# Allegro board meta_carrier_lay_rev1.brd (continued)
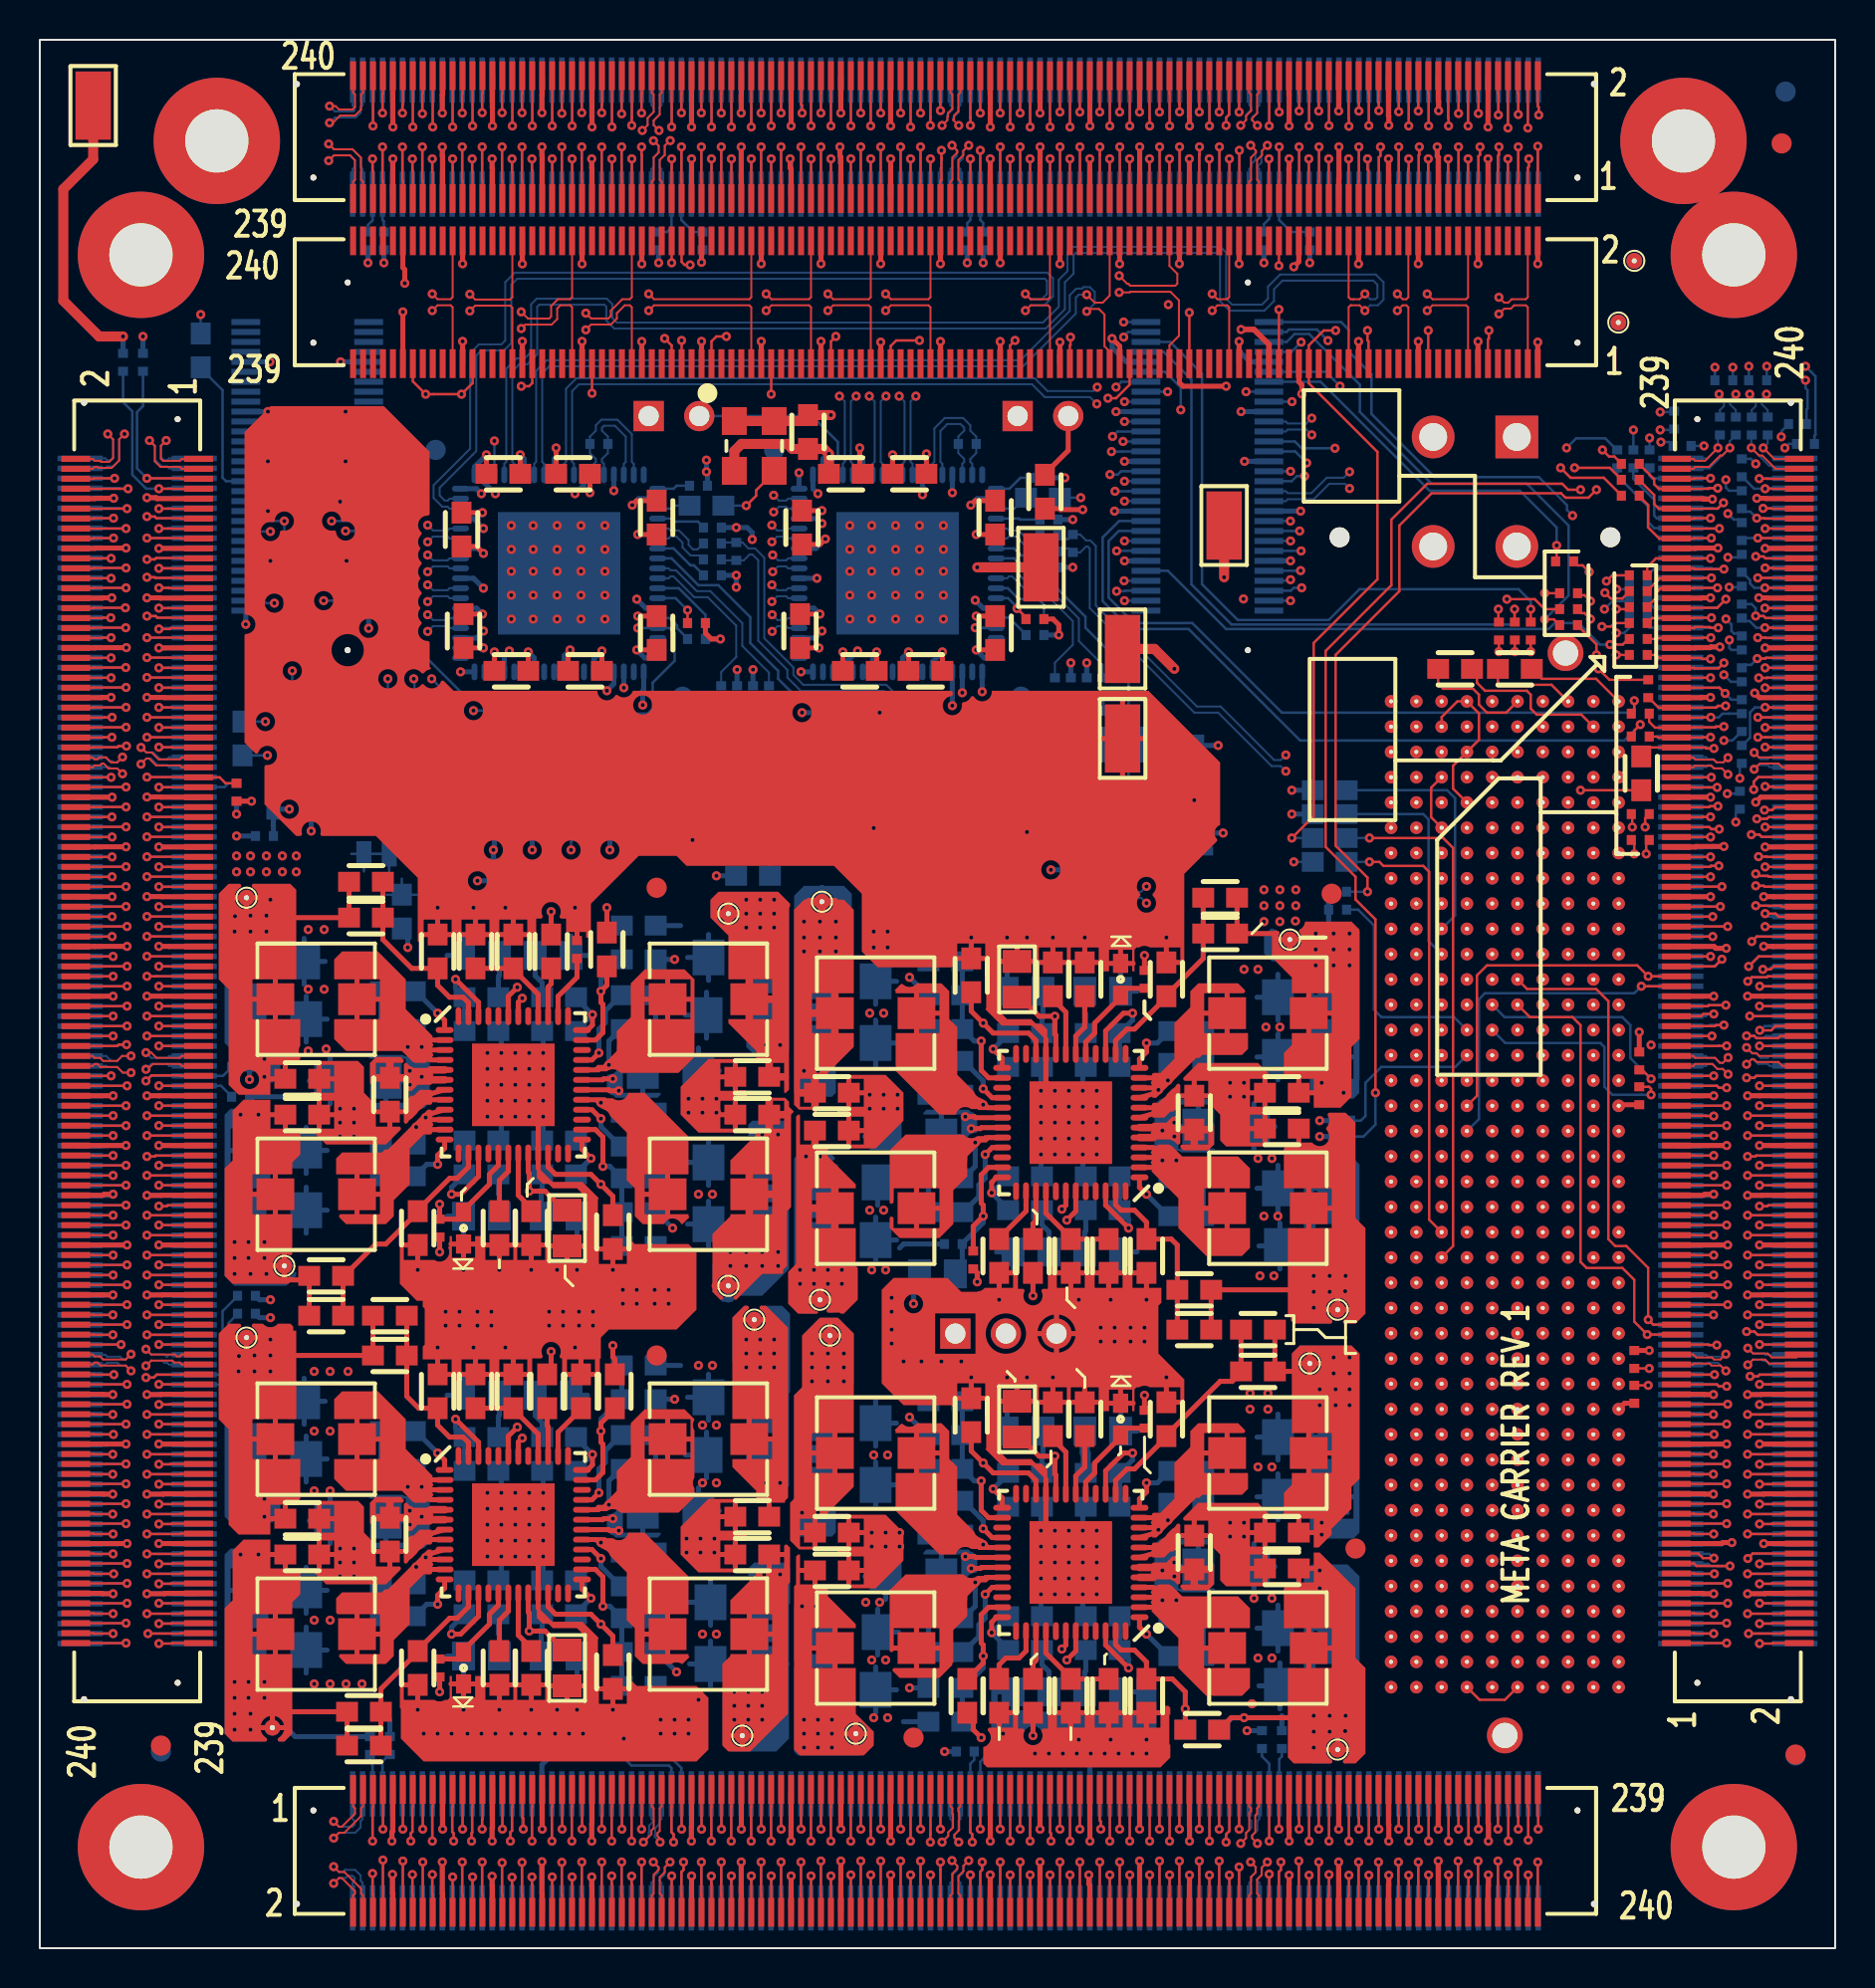
[diagram p0: board, top side]
## Routing (per net, layer and track width the routed paths; a pad name or vN(x,y) marks a point on that pad's centre or on a via; arc(x,y) is an arc through that point) (continued)
NO_DATA_OUT_N21: length 4.8
  TOP w0.127: J1.76 56.73,93.19 56.74,93.18 v1(56.74,91.55)
  BOTTOM w0.127: J11.76 v1(56.74,91.55)
NO_DATA_OUT_N22: length 3.4
  TOP w0.127: v1(58.23,92.25) J1.70
  BOTTOM w0.127: J11.70 58.24,92.26 v1(58.23,92.25)
NO_DATA_OUT_N23: length 3.4
  TOP w0.127: J1.66 v1(59.23,92.25)
  BOTTOM w0.127: J11.66 59.24,92.56 59.23,92.55 v1(59.23,92.25)
NO_DATA_OUT_N24: length 4.9
  TOP w0.127: J1.40 65.73,91.95 65.75,91.93 v1(65.75,91.54)
  BOTTOM w0.127: J11.40 v1(65.75,91.54)
NO_DATA_OUT_N25: length 4.8
  TOP w0.127: J1.36 66.73,93.19 66.75,93.18 v1(66.75,91.57)
  BOTTOM w0.127: J11.36 v1(66.75,91.57)
NO_DATA_OUT_N26: length 3.4
  TOP w0.127: v1(68.25,92.27) 68.25,93.18 68.23,93.19 J1.30
  BOTTOM w0.127: J11.30 v1(68.25,92.27)
NO_DATA_OUT_N27: length 3.3
  TOP w0.127: 69.23,94.08 v1(69.23,92.3)
  BOTTOM w0.127: v1(69.23,92.3) 69.25,92.32 69.25,93.86
NO_DATA_OUT_N28: length 4.8
  TOP w0.127: v1(70.75,91.55) 70.75,91.95 70.73,91.97 J1.20
  BOTTOM w0.127: J11.20 v1(70.75,91.55)
NO_DATA_OUT_N29: length 4.8
  TOP w0.127: J1.16 v1(71.73,91.55)
  BOTTOM w0.127: v1(71.73,91.55) 71.73,92.54 71.75,92.56 J11.16
NO_DATA_OUT_N30: length 3.7
  TOP w0.127: J1.10 73.23,93.19 73.25,93.17 v1(73.25,92.11)
  BOTTOM w0.127: J11.10 v1(73.25,92.11)
NO_DATA_OUT_N31: length 3.7
  TOP w0.127: J1.6 74.23,93.19 74.26,93.17 v1(74.26,92.13)
  BOTTOM w0.127: J11.6 v1(74.26,92.13)
NO_DATA_OUT_P0: length 3.5
  TOP w0.127: J1.218 21.23,93.19 21.22,93.18 v1(21.22,92.2)
  BOTTOM w0.127: J11.218 v1(21.22,92.2)
NO_DATA_OUT_P1: length 3.5
  TOP w0.127: J1.214 22.23,93.19 22.22,93.18 v1(22.22,92.22)
  BOTTOM w0.127: J11.214 v1(22.22,92.22)
NO_DATA_OUT_P2: length 4.8
  TOP w0.127: J1.208 v1(23.73,91.55)
  BOTTOM w0.127: J11.208 23.72,92.56 23.73,92.54 v1(23.73,91.55)
NO_DATA_OUT_P3: length 4.8
  TOP w0.127: J1.204 v1(24.73,91.55)
  BOTTOM w0.127: v1(24.73,91.55) 24.73,92.54 24.72,92.56 J11.204
NO_DATA_OUT_P4: length 3.6
  TOP w0.127: v1(26.22,92.19) 26.22,93.18 26.23,93.19 J1.198
  BOTTOM w0.127: J11.198 v1(26.22,92.19)
NO_DATA_OUT_P5: length 3.5
  TOP w0.127: v1(27.22,92.22) 27.22,93.18 27.23,93.19 J1.194
  BOTTOM w0.127: J11.194 v1(27.22,92.22)
NO_DATA_OUT_P6: length 4.9
  TOP w0.127: J1.188 v1(28.73,91.5)
  BOTTOM w0.127: J11.188 28.72,92.56 28.73,92.55 v1(28.73,91.5)
NO_DATA_OUT_P7: length 4.8
  TOP w0.127: J1.184 29.73,91.98 29.73,91.98 v1(29.73,91.58)
  BOTTOM w0.127: v1(29.73,91.58) 29.73,91.98 29.72,91.98 J11.184
NO_DATA_OUT_P8: length 3.5
  TOP w0.127: v1(36.23,92.2) 36.23,93.19 36.23,93.19 J1.158
  BOTTOM w0.127: J11.158 v1(36.23,92.2)
NO_DATA_OUT_P9: length 3.5
  TOP w0.127: v1(37.23,92.2) 37.23,93.19 37.23,93.19 J1.154
  BOTTOM w0.127: J11.154 v1(37.23,92.2)
NO_DATA_OUT_P10: length 4.8
  TOP w0.127: J1.148 v1(38.73,91.55)
  BOTTOM w0.127: J11.148 38.73,92.56 38.73,92.55 v1(38.73,91.55)
NO_DATA_OUT_P11: length 4.8
  TOP w0.127: J1.144 v1(39.73,91.55)
  BOTTOM w0.127: J11.144 39.73,92.56 39.73,92.55 v1(39.73,91.55)
NO_DATA_OUT_P12: length 3.5
  TOP w0.127: v1(41.23,92.2) 41.23,93.19 41.23,93.19 J1.138
  BOTTOM w0.127: J11.138 v1(41.23,92.2)
NO_DATA_OUT_P13: length 3.5
  TOP w0.127: J1.134 v1(42.23,92.2)
  BOTTOM w0.127: 42.23,93.86 42.23,92.56 42.23,92.56 v1(42.23,92.2)
NO_DATA_OUT_P14: length 4.9
  TOP w0.127: J1.128 43.73,93.19 43.73,93.19 v1(43.73,91.5)
  BOTTOM w0.127: J11.128 v1(43.73,91.5)
NO_DATA_OUT_P15: length 4.8
  TOP w0.127: J1.124 44.73,91.98 44.73,91.97 v1(44.73,91.58)
  BOTTOM w0.127: J11.124 44.73,91.98 44.73,91.97 v1(44.73,91.58)
NO_DATA_OUT_P16: length 3.4
  TOP w0.127: J1.98 v1(51.23,92.25)
  BOTTOM w0.127: J11.98 51.24,92.56 51.23,92.55 v1(51.23,92.25)
NO_DATA_OUT_P17: length 3.4
  TOP w0.127: J1.94 v1(52.23,92.25)
  BOTTOM w0.127: v1(52.23,92.25) 52.23,92.55 52.24,92.56 J11.94
NO_DATA_OUT_P18: length 4.8
  TOP w0.127: J1.88 53.73,93.19 53.74,93.19 v1(53.74,91.55)
  BOTTOM w0.127: J11.88 v1(53.74,91.55)
NO_DATA_OUT_P19: length 4.8
  TOP w0.127: J1.84 54.73,93.19 54.74,93.19 v1(54.74,91.55)
  BOTTOM w0.127: J11.84 v1(54.74,91.55)
NO_DATA_OUT_P20: length 3.4
  TOP w0.127: J1.78 v1(56.23,92.25)
  BOTTOM w0.127: v1(56.23,92.25) 56.23,92.55 56.24,92.56 J11.78
NO_DATA_OUT_P21: length 3.4
  TOP w0.127: J1.74 57.23,92.67 57.24,92.66 v1(57.24,92.26)
  BOTTOM w0.127: v1(57.24,92.26) J11.74
NO_DATA_OUT_P22: length 4.8
  TOP w0.127: J1.68 58.73,93.19 58.74,93.18 v1(58.74,91.55)
  BOTTOM w0.127: J11.68 v1(58.74,91.55)
NO_DATA_OUT_P23: length 4.9
  TOP w0.127: v1(59.58,91.58) 59.58,91.97 59.73,92.13 J1.64
  BOTTOM w0.127: v1(59.58,91.58) 59.58,91.97 59.74,92.14 J11.64
NO_DATA_OUT_P24: length 3.3
  TOP w0.127: v1(66.25,92.3) 66.25,92.7 66.23,92.71 J1.38
  BOTTOM w0.127: v1(66.25,92.3) J11.38
NO_DATA_OUT_P25: length 3.3
  TOP w0.127: J1.34 67.23,92.73 67.25,92.71 v1(67.25,92.32)
  BOTTOM w0.127: v1(67.25,92.32) J11.34
NO_DATA_OUT_P26: length 4.8
  TOP w0.127: J1.28 68.73,93.19 68.75,93.18 v1(68.75,91.55)
  BOTTOM w0.127: J11.28 v1(68.75,91.55)
NO_DATA_OUT_P27: length 4.8
  TOP w0.127: v1(69.75,91.55) 69.75,93.18 69.73,93.19 69.73,94.08
  BOTTOM w0.127: J11.24 v1(69.75,91.55)
NO_DATA_OUT_P28: length 3.6
  TOP w0.127: v1(71.25,92.18) 71.25,93.17 71.23,93.19 J1.18
  BOTTOM w0.127: J11.18 v1(71.25,92.18)
NO_DATA_OUT_P29: length 3.6
  TOP w0.127: J1.14 72.23,93.19 72.25,93.17 v1(72.25,92.18)
  BOTTOM w0.127: J11.14 v1(72.25,92.18)
NO_DATA_OUT_P30: length 5
  TOP w0.127: v1(73.73,91.45) J1.8
  BOTTOM w0.127: J11.8 73.75,91.87 73.73,91.85 v1(73.73,91.45)
NO_DATA_OUT_P31: length 5
  TOP w0.127: v1(74.73,91.45) J1.4
  BOTTOM w0.127: J11.4 74.75,91.87 74.73,91.85 v1(74.73,91.45)
NO_FRAME_IN_N0: length 5.8
  TOP w0.127: v1(16.71,89.91) 16.71,89.29 16.73,89.27 16.73,87.91
  BOTTOM w0.127: v1(16.71,89.91) J11.235 16.71,86.81 16.48,86.58 R133.1
NO_FRAME_IN_N1: length 6.2
  TOP w0.127: 31.73,87.91 v1(31.73,89.91)
  BOTTOM w0.127: v1(31.73,89.91) 31.73,89.44 31.72,89.43 J11.175 31.72,86.46 31.49,86.23 R98.1
NO_FRAME_IN_N2: length 5.7
  TOP w0.127: 46.73,87.91 v1(46.73,89.91)
  BOTTOM w0.127: v1(46.73,89.91) 46.73,89.43 46.73,89.43 J11.115 46.73,86.83 46.58,86.68 R76.1
NO_FRAME_IN_N3: length 5.8
  TOP w0.127: 61.73,87.91 v1(61.73,89.91)
  BOTTOM w0.127: v1(61.73,89.91) 61.73,89.51 61.75,89.5 J11.55 61.75,86.89 61.48,86.63 R52.1
NO_FRAME_IN_P0: length 6.9
  TOP w0.127: v1(17.21,90.5) 17.21,88.82 17.23,88.8 17.23,87.91
  BOTTOM w0.127: R131.2 17.28,86.76 17.21,86.83 J11.233 v1(17.21,90.5)
NO_FRAME_IN_P1: length 7.6
  TOP w0.127: 32.23,87.91 32.23,88.8 32.22,88.81 v1(32.22,90.5)
  BOTTOM w0.127: v1(32.22,90.5) J11.173 32.22,86.83 32.82,86.23 R97.2
NO_FRAME_IN_P2: length 6.6
  TOP w0.127: 47.23,87.91 47.23,88.8 47.23,88.8 v1(47.23,90.33)
  BOTTOM w0.127: v1(47.23,90.33) J11.113 47.23,86.83 47.38,86.68 R75.2
NO_FRAME_IN_P3: length 8.1
  TOP w0.127: v1(62.25,90.5) 62.25,88.81 62.23,88.8 62.23,87.91
  BOTTOM w0.127: v1(62.25,90.5) J11.53 62.25,86.83 62.85,86.23 R50.2
NO_FRAME_OUT_N0: length 4.8
  TOP w0.127: J1.236 v1(16.73,91.55)
  BOTTOM w0.127: J11.236 16.71,92.56 16.73,92.54 v1(16.73,91.55)
NO_FRAME_OUT_N1: length 4.9
  TOP w0.127: J1.176 v1(31.73,91.5)
  BOTTOM w0.127: J11.176 31.72,92.56 31.73,92.55 v1(31.73,91.5)
NO_FRAME_OUT_N2: length 4.8
  TOP w0.127: J1.116 46.73,93.19 46.73,93.19 46.73,91.98 46.74,91.97 v1(46.74,91.58)
  BOTTOM w0.127: v1(46.74,91.58) 46.74,91.97 46.73,91.98 J11.116
NO_FRAME_OUT_N3: length 4.8
  TOP w0.127: v1(61.75,91.55) 61.75,93.18 61.73,93.19 J1.56
  BOTTOM w0.127: J11.56 v1(61.75,91.55)
NO_FRAME_OUT_P0: length 3.5
  TOP w0.127: J1.234 17.23,93.19 17.21,93.17 v1(17.21,92.2)
  BOTTOM w0.127: J11.234 v1(17.21,92.2)
NO_FRAME_OUT_P1: length 3.5
  TOP w0.127: J1.174 32.23,93.19 32.22,93.18 v1(32.22,92.22)
  BOTTOM w0.127: J11.174 v1(32.22,92.22)
NO_FRAME_OUT_P2: length 3.5
  TOP w0.127: J1.114 v1(47.23,92.2)
  BOTTOM w0.127: J11.114 47.23,92.56 47.23,92.56 v1(47.23,92.2)
NO_FRAME_OUT_P3: length 3.4
  TOP w0.127: J1.54 62.23,92.66 62.25,92.65 v1(62.25,92.25)
  BOTTOM w0.127: v1(62.25,92.25) J11.54
NO_LCLK_IN_N0: length 6.8
  TOP w0.102: 15.73,87.91 15.73,88.76 15.83,88.86 15.83,89.83 15.58,90.08 14.78,90.08 v1(14.51,89.81)
  BOTTOM w0.102: v1(14.51,89.81) 14.78,90.08 15.58,90.08 15.81,89.85 15.81,89.49 15.71,89.39 J11.239
NO_LCLK_IN_N1: length 6.1
  TOP w0.102: v1(30.82,90.81) 30.82,90.81 30.82,90.82 31.08,90.56 31.08,90.22 30.83,89.97 30.83,88.86 30.73,88.76 30.73,87.91
  BOTTOM w0.102: v1(30.82,90.81) 30.82,90.81 30.82,90.82 31.08,90.56 31.08,90.22 30.82,89.96 30.82,89.49 30.72,89.39 J11.179
NO_LCLK_IN_N2: length 5.6
  TOP w0.102: 45.73,87.91 45.73,88.76 45.83,88.86 45.83,89.97 46.08,90.22 46.08,90.31 v1(45.81,90.58)
  BOTTOM w0.102: v1(45.81,90.58) 46.05,90.35 46.05,90.05 45.83,89.83 45.83,89.49 45.73,89.39 J11.119
NO_LCLK_IN_N3: length 5.6
  TOP w0.102: v1(60.81,90.58) 61.08,90.31 61.08,90.22 60.83,89.97 60.83,88.86 60.73,88.76 60.73,87.91
  BOTTOM w0.102: J11.59 60.75,89.39 60.84,89.49 60.84,89.63 61.05,89.84 61.05,90.35 v1(60.81,90.58)
NO_LCLK_IN_P0: length 7.8
  TOP w0.102: v1(14.51,90.65) 14.78,90.38 15.71,90.38 16.14,89.96 16.14,88.86 16.23,88.76 16.23,87.91
  BOTTOM w0.102: v1(14.51,90.65) 14.78,90.38 15.71,90.38 16.11,89.98 16.11,89.49 16.21,89.39 J11.237
NO_LCLK_IN_P1: length 6.1
  TOP w0.102: v1(31.66,90.82) 31.64,90.82 31.38,90.56 31.38,90.1 31.14,89.85 31.14,88.86 31.23,88.76 31.23,87.91
  BOTTOM w0.102: J11.177 31.22,89.39 31.12,89.49 31.12,89.84 31.38,90.1 31.38,90.56 31.64,90.82 v1(31.66,90.82)
NO_LCLK_IN_P2: length 5.6
  TOP w0.102: 46.23,87.91 46.23,88.76 46.14,88.86 46.14,89.85 46.38,90.1 46.38,90.31 v1(46.65,90.58)
  BOTTOM w0.102: v1(46.65,90.58) 46.35,90.28 46.35,89.92 46.14,89.7 46.14,89.49 46.23,89.39 J11.117
NO_LCLK_IN_P3: length 5.6
  TOP w0.102: 61.23,87.91 61.23,88.76 61.14,88.86 61.14,89.85 61.38,90.1 61.38,90.31 v1(61.65,90.58)
  BOTTOM w0.102: J11.57 61.24,89.39 61.15,89.49 61.15,89.51 61.35,89.71 61.35,90.28 v1(61.65,90.58)
NO_LCLK_OUT_N0: length 5.9
  TOP w0.102: J1.240 15.73,93.23 15.83,93.13 15.83,92.51 15.7,92.38 15.03,92.38 14.86,92.55 v1(14.55,92.55)
  BOTTOM w0.102: J11.240 15.71,92.6 15.81,92.5 15.81,92.36 15.74,92.29 14.82,92.29 v1(14.55,92.55)
NO_LCLK_OUT_N1: length 5.8
  TOP w0.102: v1(30.26,91.33) 30.53,91.6 30.53,91.96 30.83,92.26 30.83,93.13 30.73,93.23 J1.180
  BOTTOM w0.102: v1(30.26,91.33) 30.53,91.6 30.53,91.96 30.82,92.25 30.82,92.5 30.72,92.6 J11.180
NO_LCLK_OUT_N2: length 5.3
  TOP w0.102: J1.120 45.73,93.23 45.83,93.13 45.83,92.43 45.61,92.21 45.61,92.05 45.58,92.01 45.58,91.85 v1(45.31,91.58)
  BOTTOM w0.102: v1(45.31,91.58) 45.58,91.85 45.58,92.12 45.83,92.37 45.83,92.5 45.73,92.6 J11.120
NO_LCLK_OUT_N3: length 5.3
  TOP w0.102: v1(60.31,91.58) 60.58,91.85 60.58,92.06 60.83,92.31 60.83,93.13 60.73,93.23 J1.60
  BOTTOM w0.102: v1(60.31,91.58) 60.58,91.85 60.58,92.06 60.61,92.1 60.61,92.15 60.82,92.36 60.84,92.36 60.84,92.5 60.75,92.6 J11.60
NO_LCLK_OUT_P0: length 7
  TOP w0.102: J1.238 16.23,93.23 16.14,93.13 16.14,92.39 15.83,92.08 15.08,92.08 14.71,91.71 v1(14.55,91.71)
  BOTTOM w0.102: J11.238 16.21,92.6 16.11,92.5 16.11,92.23 15.86,91.98 14.82,91.98 v1(14.55,91.71)
NO_LCLK_OUT_P1: length 5.8
  TOP w0.102: v1(31.1,91.33) 30.83,91.6 30.83,91.83 31.14,92.14 31.14,93.13 31.23,93.23 J1.178
  BOTTOM w0.102: v1(31.1,91.33) 30.83,91.6 30.83,91.83 31.12,92.12 31.12,92.5 31.22,92.6 J11.178
NO_LCLK_OUT_P2: length 5.3
  TOP w0.102: J1.118 46.23,93.23 46.14,93.13 46.14,92.3 45.92,92.08 45.92,91.92 45.88,91.89 45.88,91.85 v1(46.15,91.58)
  BOTTOM w0.102: v1(46.15,91.58) 45.88,91.85 45.88,91.99 46.14,92.24 46.14,92.5 46.23,92.6 J11.118
NO_LCLK_OUT_P3: length 5.3
  TOP w0.102: v1(61.15,91.58) 60.88,91.85 60.88,91.94 61.14,92.19 61.14,93.13 61.23,93.23 J1.58
  BOTTOM w0.102: J11.58 61.24,92.6 61.15,92.5 61.15,92.23 60.97,92.05 60.95,92.05 60.92,92.02 60.92,91.97 60.88,91.94 60.88,91.85 v1(61.15,91.58)
NO_WAIT_RD_IN_N0: length 3.6
  TOP w0.127: v1(19.21,92.17) 19.21,93.17 19.23,93.19 J1.226
  BOTTOM w0.127: J11.226 v1(19.21,92.17)
NO_WAIT_RD_IN_N1: length 3.5
  TOP w0.127: v1(34.22,92.2) 34.22,93.18 34.23,93.19 J1.166
  BOTTOM w0.127: J11.166 v1(34.22,92.2)
NO_WAIT_RD_IN_N2: length 3.5
  TOP w0.127: J1.106 v1(49.23,92.2)
  BOTTOM w0.127: J11.106 49.24,92.56 49.23,92.56 v1(49.23,92.2)
NO_WAIT_RD_IN_N3: length 3.3
  TOP w0.127: J1.46 v1(64.23,92.3)
  BOTTOM w0.127: J11.46 64.25,92.32 v1(64.23,92.3)
NO_WAIT_RD_IN_P0: length 4.9
  TOP w0.127: J1.224 v1(19.73,91.5)
  BOTTOM w0.127: v1(19.73,91.5) 19.73,92.54 19.71,92.56 J11.224
NO_WAIT_RD_IN_P1: length 4.9
  TOP w0.127: J1.164 v1(34.73,91.5)
  BOTTOM w0.127: v1(34.73,91.5) 34.73,92.55 34.73,92.56 J11.164
NO_WAIT_RD_IN_P2: length 4.9
  TOP w0.127: J1.104 49.73,93.19 49.74,93.19 v1(49.74,91.5)
  BOTTOM w0.127: J11.104 v1(49.74,91.5)
NO_WAIT_RD_IN_P3: length 4.8
  TOP w0.127: v1(64.75,91.57) 64.75,93.18 64.73,93.19 J1.44
  BOTTOM w0.127: J11.44 v1(64.75,91.57)
NO_WAIT_RD_OUT_N0: length 5
  TOP w0.127: v1(19.21,90.5) 19.21,88.82 19.23,88.8 19.23,87.91
  BOTTOM w0.127: J11.225 v1(19.21,90.5)
NO_WAIT_RD_OUT_N1: length 5
  TOP w0.127: 34.23,87.91 34.23,88.8 34.22,88.81 v1(34.22,90.5)
  BOTTOM w0.127: J11.165 v1(34.22,90.5)
NO_WAIT_RD_OUT_N2: length 5
  TOP w0.127: v1(49.23,90.5) 49.23,90.02 49.24,90.01 49.24,88.8 49.23,88.8 49.23,87.91
  BOTTOM w0.127: v1(49.23,90.5) 49.23,90.02 49.24,90.01 J11.105
NO_WAIT_RD_OUT_N3: length 5
  TOP w0.127: 64.23,87.91 64.23,88.8 64.25,88.81 v1(64.25,90.5)
  BOTTOM w0.127: J11.45 v1(64.25,90.5)
NO_WAIT_RD_OUT_P0: length 3.8
  TOP w0.127: 19.73,87.91 19.73,89.22 19.71,89.24 v1(19.71,89.91)
  BOTTOM w0.127: v1(19.71,89.91) J11.223
NO_WAIT_RD_OUT_P1: length 3.8
  TOP w0.127: 34.73,87.91 v1(34.73,89.91)
  BOTTOM w0.127: J11.163 34.73,89.43 34.73,89.44 v1(34.73,89.91)
NO_WAIT_RD_OUT_P2: length 3.8
  TOP w0.127: 49.73,87.91 v1(49.73,89.91)
  BOTTOM w0.127: J11.103 49.74,89.43 49.73,89.43 v1(49.73,89.91)
NO_WAIT_RD_OUT_P3: length 3.8
  TOP w0.127: 64.73,87.91 v1(64.73,89.91)
  BOTTOM w0.127: J11.43 64.75,89.43 64.73,89.45 v1(64.73,89.91)
NO_WAIT_WR_IN_N0: length 3.5
  TOP w0.127: J1.230 18.23,92.62 18.21,92.6 v1(18.21,92.2)
  BOTTOM w0.127: J11.230 v1(18.21,92.2)
NO_WAIT_WR_IN_N1: length 3.5
  TOP w0.127: v1(33.22,92.21) 33.22,93.18 33.23,93.19 J1.170
  BOTTOM w0.127: J11.170 v1(33.22,92.21)
NO_WAIT_WR_IN_N2: length 3.5
  TOP w0.127: J1.110 v1(48.23,92.2)
  BOTTOM w0.127: v1(48.23,92.2) 48.24,92.21 J11.110
NO_WAIT_WR_IN_N3: length 3.3
  TOP w0.127: v1(63.25,92.3) 63.25,93.18 63.23,93.19 J1.50
  BOTTOM w0.127: J11.50 v1(63.25,92.3)
NO_WAIT_WR_IN_P0: length 4.9
  TOP w0.127: J1.228 v1(18.73,91.5)
  BOTTOM w0.127: J11.228 18.71,92.56 18.73,92.54 v1(18.73,91.5)
NO_WAIT_WR_IN_P1: length 4.9
  TOP w0.127: J1.168 v1(33.73,91.5)
  BOTTOM w0.127: J11.168 33.72,92.56 33.73,92.55 v1(33.73,91.5)
NO_WAIT_WR_IN_P2: length 4.9
  TOP w0.127: v1(48.73,91.5) 48.73,93.19 48.73,93.19 J1.108
  BOTTOM w0.127: J11.108 v1(48.73,91.5)
NO_WAIT_WR_IN_P3: length 4.8
  TOP w0.127: v1(63.75,91.55) 63.75,93.18 63.73,93.19 J1.48
  BOTTOM w0.127: J11.48 v1(63.75,91.55)
NO_WAIT_WR_OUT_N0: length 5
  TOP w0.127: 18.23,87.91 18.23,88.8 18.21,88.82 v1(18.21,90.5)
  BOTTOM w0.127: J11.229 v1(18.21,90.5)
NO_WAIT_WR_OUT_N1: length 5
  TOP w0.127: v1(33.22,90.5) 33.22,88.81 33.23,88.8 33.23,87.91
  BOTTOM w0.127: J11.169 v1(33.22,90.5)
NO_WAIT_WR_OUT_N2: length 5
  TOP w0.127: v1(48.24,90.5) 48.24,88.8 48.23,88.8 48.23,87.91
  BOTTOM w0.127: v1(48.24,90.5) J11.109
NO_WAIT_WR_OUT_N3: length 5
  TOP w0.127: 63.23,87.91 63.23,88.8 63.25,88.81 v1(63.25,90.5)
  BOTTOM w0.127: J11.49 v1(63.25,90.5)
NO_WAIT_WR_OUT_P0: length 3.8
  TOP w0.127: v1(18.71,89.91) 18.71,89.31 18.73,89.29 18.73,87.91
  BOTTOM w0.127: v1(18.71,89.91) J11.227
NO_WAIT_WR_OUT_P1: length 3.8
  TOP w0.127: 33.73,87.91 v1(33.73,89.91)
  BOTTOM w0.127: v1(33.73,89.91) 33.73,89.44 33.72,89.43 J11.167
NO_WAIT_WR_OUT_P2: length 3.8
  TOP w0.127: 48.73,87.91 v1(48.73,89.91)
  BOTTOM w0.127: v1(48.73,89.91) 48.73,89.43 48.73,89.43 J11.107
NO_WAIT_WR_OUT_P3: length 3.8
  TOP w0.127: 63.73,87.91 v1(63.73,89.91)
  BOTTOM w0.127: J11.47 63.75,89.43 63.73,89.45 v1(63.73,89.91)
OSC_CTRL_CLOCK: length 22.7
  BOTTOM w0.127: U7.8 48.93,69.83 49.98,68.78 50.63,68.78 52.52,66.89 52.52,66.34 54.68,64.18 54.68,55.18 55.14,54.71 57.44,54.71 57.86,55.13 R55.2 C81.1
OSC_CTRL_CLOCK1: length 25.3
  BOTTOM w0.127: R90.2 C122.1 42.33,54.73 43.38,55.78 43.38,61.58 42.08,62.88 37.98,62.88 37.08,63.78 37.08,64.18 35.68,65.58 35.68,66.88 34.08,68.48 33.08,68.48 31.73,69.83 U10.8
OSC_IN_1_CLOCK: length 4.1
  BOTTOM w0.102: U6.5 52.46,60.48 52.36,60.58 52.36,61.25 52.64,61.53 52.87,61.53 53.43,62.09 R64.1 53.43,62.88 C87.1
OSC_IN_1_CLOCK1: length 4.3
  BOTTOM w0.102: U8.5 35.7,60.08 35.6,60.18 35.6,61.08 35.7,61.18 36.25,61.18 36.44,61.37 36.44,61.46 R91.1 36.67,62.48 C132.1
OSC_IN_B1_CLOCK: length 4.2
  BOTTOM w0.102: C97.1 50.93,62.88 R68.2 50.93,62.09 51.49,61.53 51.78,61.53 52.06,61.25 52.06,60.58 51.96,60.48 U6.4
OSC_IN_B1_CLOCK1: length 4.4
  BOTTOM w0.102: C142.1 34.17,62.48 R95.2 34.4,61.46 34.4,61.37 34.59,61.18 35.2,61.18 35.3,61.08 35.3,60.18 35.2,60.08 U8.4
OSC_IN_B_CLOCK: length 8
  BOTTOM w0.102: U7.10 48.58,68.83 48.68,68.93 48.83,68.93 49.68,68.08 50.48,68.08 51.88,66.68 51.88,65.48 50.98,64.58 C97.2
OSC_IN_B_CLOCK1: length 8.4
  BOTTOM w0.102: C142.2 34.22,64.12 34.98,64.88 34.98,64.88 34.98,66.45 33.55,67.88 32.87,67.88 31.82,68.93 31.68,68.93 31.58,68.83 U10.10
OSC_IN_CLOCK: length 8.7
  BOTTOM w0.102: C87.2 53.38,64.48 52.18,65.68 52.18,66.81 50.61,68.38 49.81,68.38 48.96,69.23 48.68,69.23 48.58,69.33 U7.9
OSC_IN_CLOCK1: length 9.1
  BOTTOM w0.102: U10.9 31.58,69.33 31.68,69.23 31.95,69.23 33,68.18 33.68,68.18 35.28,66.58 35.28,65.43 36.62,64.09 C132.2
PGOOD: length 58.1
  TOP w0.254: U2.17 23.03,39.33 22.58,38.88 22.58,38.38 21.28,37.08 CR2.2 20.93,36.63 R17.1 v1(20.08,37.38)
  SIGNAL_L10 w0.254: v1(47.33,63.13) 45.88,61.68 45.28,61.68 44.38,62.58 37.78,62.58 37.66,62.46 v1(30.28,62.46) 28.78,60.96 28.78,56.08 24.98,52.28 24.98,51.68 25.88,50.78 25.88,40.58 22.68,37.38 v1(20.08,37.38)
  BOTTOM w0.254: v1(30.28,62.46) 30.28,63.17 30.33,63.22 U10.19 ; U7.19 v1(47.33,63.13)
PGOOD_LOOPBACK: length 3.1
  TOP w0.127: 71.67,13.12 72.31,12.48 73.58,12.48 74.22,13.12
PGOOD_Q2: length 5
  TOP w0.254: U5.17 52.53,23.43 52.98,23.88 52.98,24.38 54.28,25.68 CR3.2 54.63,26.13 R33.1
PGOOD_Q4: length 5
  TOP w0.254: U4.17 23.03,17.23 22.58,16.78 22.58,16.28 21.28,14.98 CR4.2 20.93,14.53 R36.1
PGOOD_Q8: length 5
  TOP w0.254: U3.17 52.53,45.53 52.98,45.98 52.98,46.48 54.28,47.78 CR1.2 54.63,48.23 R12.1
Q0_VDD: length 57.2
  TOP w0.254: 11.53,43.68 C29.1 12.33,44.43 ; J1.222 20.23,93.13 20.21,93.11 v1(20.21,92.2) ; v1(4.33,55.34) 2.76,55.34 2.76,55.33 J3.80 ; J3.19 v1(5.98,70.33) ; 35.23,87.91 35.23,88.86 35.23,88.87 v1(35.23,90.5) ; v1(20.21,90.5) 20.21,90.05 20.23,90.03 20.23,87.91 ; 9.73,52.78 TP3.1 ; TP3.1 11.03,52.78 ; TP3.1 10.38,52.13 ; J3.79 v1(5.98,55.33) ; 10.63,47.68 L1.2 ; L1.2 11.83,48.73 ; L1.2 11.83,46.63 ; R6.2 C20.1 12.48,51.78 ; v1(4.33,70.35) 2.77,70.35 2.76,70.33 J3.20 ; v1(35.23,92.2) 35.23,93.12 35.23,93.13 J1.162
  PWR_L7 w0.254: TP3.1 10.38,53.43 ; TP3.1 10.38,52.13 ; TP3.1 9.73,52.78 ; TP3.1 11.03,52.78
  BOTTOM w0.254: 10.48,48.43 C186.1 ; C186.1 10.48,50.73 ; C186.1 9.43,49.58 ; C180.1 10.58,47.83 ; C180.1 9.53,46.68 ; C180.1 10.58,45.53 ; J15.80 v1(4.33,55.34) ; J11.161 v1(35.23,90.5) ; v1(5.98,70.33) 6.08,70.33 6.1,70.35 J15.19 ; v1(5.98,55.33) 7.75,55.33 J15.79 ; TP3.1 11.03,52.78 ; TP3.1 9.73,52.78 ; TP3.1 10.38,52.13 ; J11.222 v1(20.21,92.2) ; J15.20 v1(4.33,70.35) ; v1(20.21,90.5) J11.221 ; J11.162 v1(35.23,92.2)
  vias: v1(9.8,51.85) v1(9.78,51.08) v1(10.58,51.88) v1(10.58,51.08) v1(11.28,44.68) v1(11.28,43.78) v1(11.38,51.88) v1(11.38,51.08) v1(11.58,52.68)
Q0_VDDIO: length 60.3
  TOP w0.254: J1.202 25.23,93.13 25.22,93.11 v1(25.22,92.22) ; 25.23,87.91 25.23,90.03 25.22,90.05 v1(25.22,90.5) ; J3.39 v1(5.98,65.33) ; v1(40.23,92.2) 40.23,93.13 40.23,93.13 J1.142 ; J3.99 6.49,50.33 6.49,50.33 v1(5.98,50.33) ; 11.53,41.88 C34.1 12.33,41.13 ; 11.83,36.83 L5.2 ; L5.2 11.83,38.93 ; L5.2 10.63,37.88 ; 40.23,87.91 40.23,90 40.18,90.05 v1(40.18,90.5) ; 12.48,33.58 13.08,33.58 13.28,33.78 C43.1 R23.2 ; J3.100 2.76,50.33 2.76,50.33 v1(4.38,50.33) ; 12.28,33.63 TP7.1 ; TP7.1 11.63,34.28 ; TP7.1 12.28,34.93 ; R5.2 v1(10.63,57.63) ; v1(4.34,65.34) 2.77,65.34 2.76,65.33 J3.40
  SIGNAL_L5 w0.254: TP7.1 12.28,34.83 ; TP7.1 12.83,34.28 ; TP7.1 11.73,34.28 ; TP7.1 12.28,33.73
  SIGNAL_L10 w0.254: TP7.1 12.83,34.28 ; TP7.1 12.28,34.83 ; TP7.1 12.28,33.73 ; TP7.1 11.73,34.28
  BOTTOM w0.254: 9.53,37.08 C182.1 ; C182.1 10.58,35.93 ; C182.1 10.58,38.23 ; v1(5.98,65.33) 6.28,65.33 6.29,65.34 J15.39 ; J15.100 v1(4.38,50.33) ; v1(40.18,90.5) 40.18,90.05 40.19,90.04 40.19,89.72 40.23,89.68 J11.141 ; 12.28,33.63 TP7.1 ; TP7.1 12.28,34.93 ; TP7.1 11.63,34.28 ; 9.53,40.08 C181.1 ; C181.1 10.58,41.23 ; C181.1 10.58,38.93 ; J11.142 v1(40.23,92.2) ; J15.99 v1(5.98,50.33) ; J11.202 v1(25.22,92.22) ; R98.2 v1(31.08,84.68) ; v1(25.22,90.5) J11.201 ; J15.40 v1(4.34,65.34) ; R143.2 v1(5.18,80.98) ; R133.2 v1(16.48,84.68)
  vias: v1(9.78,35.48) v1(9.78,34.68) v1(9.78,33.88) v1(9.88,54.88) v1(9.88,54.08) v1(10.08,41.88) v1(10.48,35.48) v1(10.48,34.68) v1(10.58,54.88) v1(10.58,54.08) v1(10.58,33.88) v1(10.98,41.88) v1(11.28,35.48) v1(11.28,34.68) v1(11.38,54.88) v1(11.38,54.08) v1(11.38,33.88) v1(12.18,54.88) v1(12.18,54.08) v1(12.88,54.88) v1(12.88,54.08)
Q1_VDD: length 59.2
  TOP w0.254: v1(84.28,70.35) 83.16,70.35 83.15,70.33 J4.221 ; 63.08,33.08 C44.1 R25.2 ; 63.73,36.13 L8.2 ; L8.2 64.93,37.18 ; L8.2 63.73,38.23 ; v1(84.58,55.36) 83.17,55.36 83.15,55.33 J4.161 ; J1.42 v1(65.23,92.3) ; TP10.1 65.18,32.73 ; TP10.1 64.53,32.08 ; TP10.1 65.83,32.08 ; v1(50.24,90.5) 50.24,90.05 50.23,90.04 50.23,87.91 ; J1.102 v1(50.23,92.2) ; J4.162 v1(86.65,55.33) ; 65.23,87.91 65.23,88.86 65.25,88.88 v1(65.25,90.5) ; J4.222 v1(86.65,70.33) ; 63.23,40.43 C36.1
  SIGNAL_L3 w0.254: 64.63,32.08 TP10.1 ; TP10.1 65.73,32.08 ; TP10.1 65.18,31.53 ; TP10.1 65.18,32.63
  SIGNAL_L5 w0.254: 64.63,32.08 TP10.1 ; TP10.1 65.18,32.63 ; TP10.1 65.73,32.08 ; TP10.1 65.18,31.53
  BOTTOM w0.254: TP10.1 65.18,32.73 ; TP10.1 65.83,32.08 ; TP10.1 64.53,32.08 ; v1(86.65,55.33) 88.14,55.33 J6.162 ; J11.42 65.25,92.32 v1(65.23,92.3) ; v1(84.58,55.36) 84.01,55.36 83.99,55.34 J6.161 ; 64.03,35.28 C71.1 ; C71.1 65.08,34.13 ; C71.1 65.08,36.43 ; C71.1 66.13,35.28 ; C75.1 64.98,39.33 ; C75.1 64.98,37.03 ; C75.1 63.93,38.18 ; C75.1 66.03,38.18 ; v1(50.23,92.2) 50.24,92.21 J11.102 ; J11.41 v1(65.25,90.5) ; v1(86.65,70.33) 86.84,70.33 86.86,70.35 J6.222 ; J6.221 v1(84.28,70.35) ; v1(50.24,90.5) J11.101
  vias: v1(61.48,53.18) v1(61.48,52.38) v1(61.48,51.58) v1(62.28,53.18) v1(62.28,52.38) v1(62.28,51.58) v1(63.08,53.18) v1(63.08,52.38) v1(63.06,51.61) v1(63.68,39.98) v1(63.98,33.78) v1(63.98,32.98) v1(63.98,32.18) v1(64.38,39.98) v1(64.78,33.78) v1(64.78,32.98) v1(65.58,33.78) v1(65.56,33.01)
Q1_VDDIO: length 58.6
  TOP w0.254: J4.142 87.04,50.33 87.04,50.33 v1(86.58,50.33) ; 62.13,50.68 TP6.1 ; TP6.1 63.43,50.68 ; TP6.1 62.78,50.03 ; v1(55.24,90.5) 55.24,88.87 55.23,88.86 55.23,87.91 ; 70.23,94.08 70.23,92.8 70.25,92.78 v1(70.25,92.32) ; v1(84.7,50.24) 84.18,50.24 84.09,50.33 J4.141 ; L4.2 64.93,46.98 ; L4.2 63.73,45.93 ; L4.2 63.73,48.03 ; J1.82 v1(55.23,92.25) ; 62.08,50.98 C21.1 R7.2 ; 70.23,87.91 70.23,90 70.18,90.05 v1(70.18,90.5) ; 63.23,43.73 C31.1 64.03,42.98 ; v1(84.38,65.38) 83.92,65.38 83.89,65.34 83.16,65.34 83.15,65.33 J4.201 ; J4.202 v1(86.65,65.33)
  PWR_L8 w0.254: TP6.1 63.43,50.68 ; TP6.1 62.13,50.68 ; TP6.1 62.78,50.03
  BOTTOM w0.254: 64.98,46.63 C73.1 ; C73.1 64.98,48.93 ; C73.1 66.03,47.78 ; C73.1 63.93,47.78 ; J6.142 v1(86.58,50.33) ; J6.201 83.89,65.34 83.92,65.38 v1(84.38,65.38) ; v1(86.65,65.33) 86.67,65.33 86.68,65.34 J6.202 ; J6.141 84.08,50.33 84.18,50.24 v1(84.7,50.24) ; J11.82 55.24,92.26 v1(55.23,92.25) ; R76.2 v1(46.58,84.68) ; C74.1 64.98,45.93 ; C74.1 64.98,43.63 ; C74.1 66.03,44.78 ; C74.1 63.93,44.78 ; J11.22 v1(70.25,92.32) ; J11.81 v1(55.24,90.5) ; 64.73,51.38 R45.2 R44.2 ; J11.21 70.25,89.98 70.18,90.05 v1(70.18,90.5) ; R52.2 v1(61.48,84.68) ; 62.78,50.03 TP6.1 ; TP6.1 63.43,50.68 ; TP6.1 62.13,50.68
  vias: v1(64.08,50.98) v1(64.08,50.18) v1(64.08,49.38) v1(64.38,43.48) v1(64.98,50.98) v1(64.98,50.18) v1(64.98,49.38) v1(65.48,42.98) v1(65.78,50.98) v1(65.78,50.18) v1(65.78,49.38)
Q2_VDD: length 58
  TOP w0.254: 10.63,25.58 L9.2 ; L9.2 11.83,24.53 ; L9.2 11.83,26.63 ; 10.38,30.03 TP13.1 ; TP13.1 11.03,30.68 ; TP13.1 9.73,30.68 ; J3.139 v1(5.98,40.33) ; J3.200 v1(4.33,25.33) ; 12.33,22.33 C54.1 11.53,21.58 ; J5.79 v1(35.23,5.98) ; v1(20.21,4.33) 20.21,2.77 20.23,2.76 J5.20 ; v1(35.23,4.33) 35.23,2.76 35.23,2.76 J5.80 ; 12.58,29.78 C45.1 R24.2 ; J5.19 v1(20.23,5.98) ; J3.199 v1(5.98,25.33) ; J3.140 v1(4.33,40.33)
  PWR_L7 w0.254: 10.38,30.03 TP13.1 ; TP13.1 9.73,30.68 ; TP13.1 11.03,30.68 ; TP13.1 10.38,31.33